# Altium PCB PCB1.PcbDoc
Units mm, origin at the board's own origin, x right, y up, seen from the top; angles counter-clockwise.
Board outline 80 x 80 mm, 2 copper layers (Top Layer, Bottom Layer); 77 components, 43 nets, 255 pads, 39 vias.
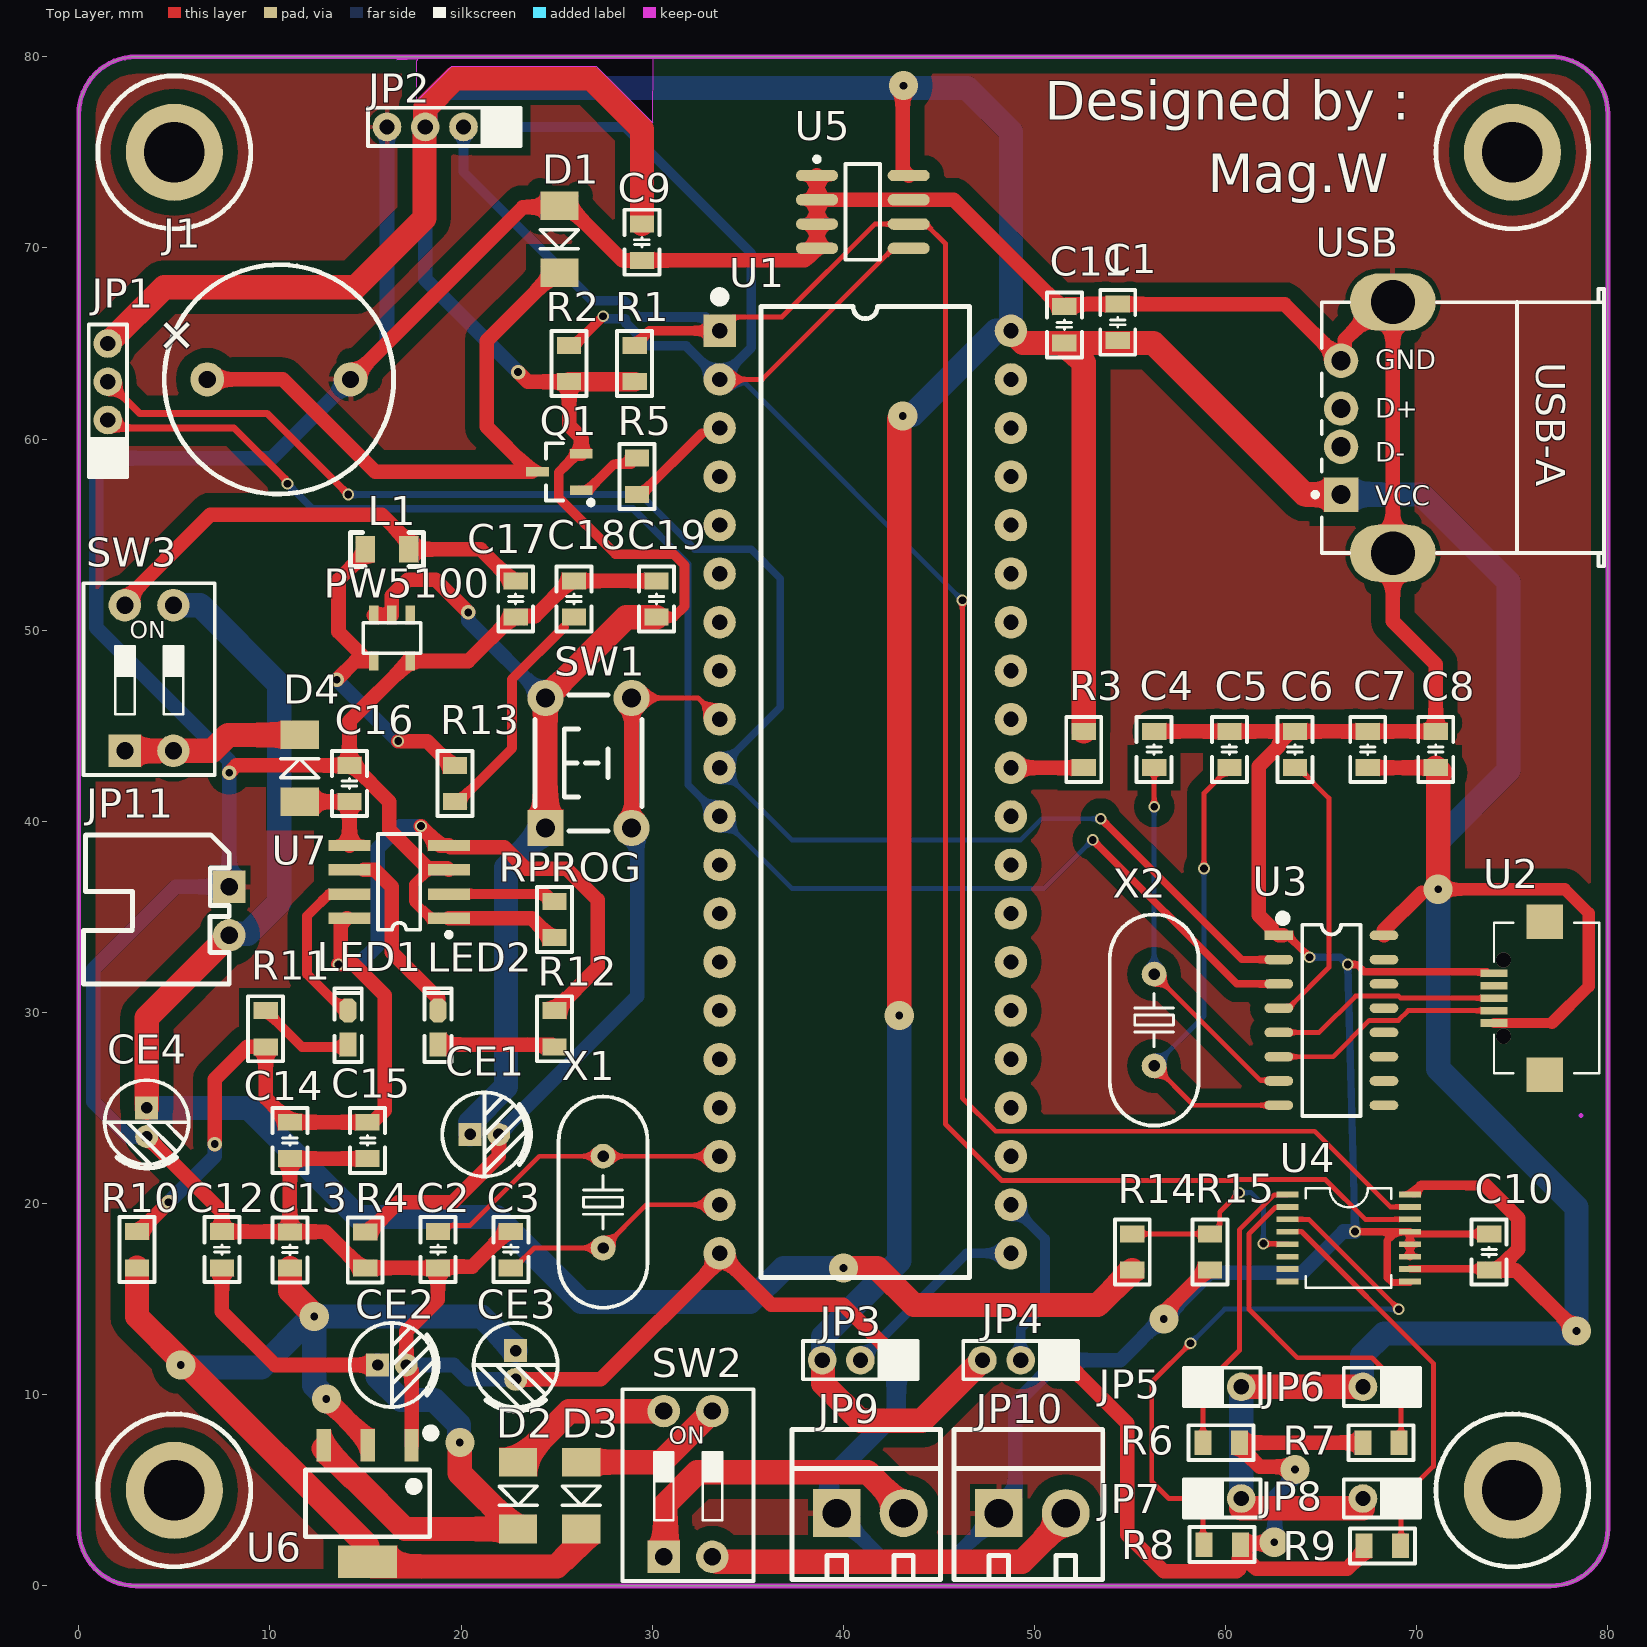
[diagram p0: Top Layer view]
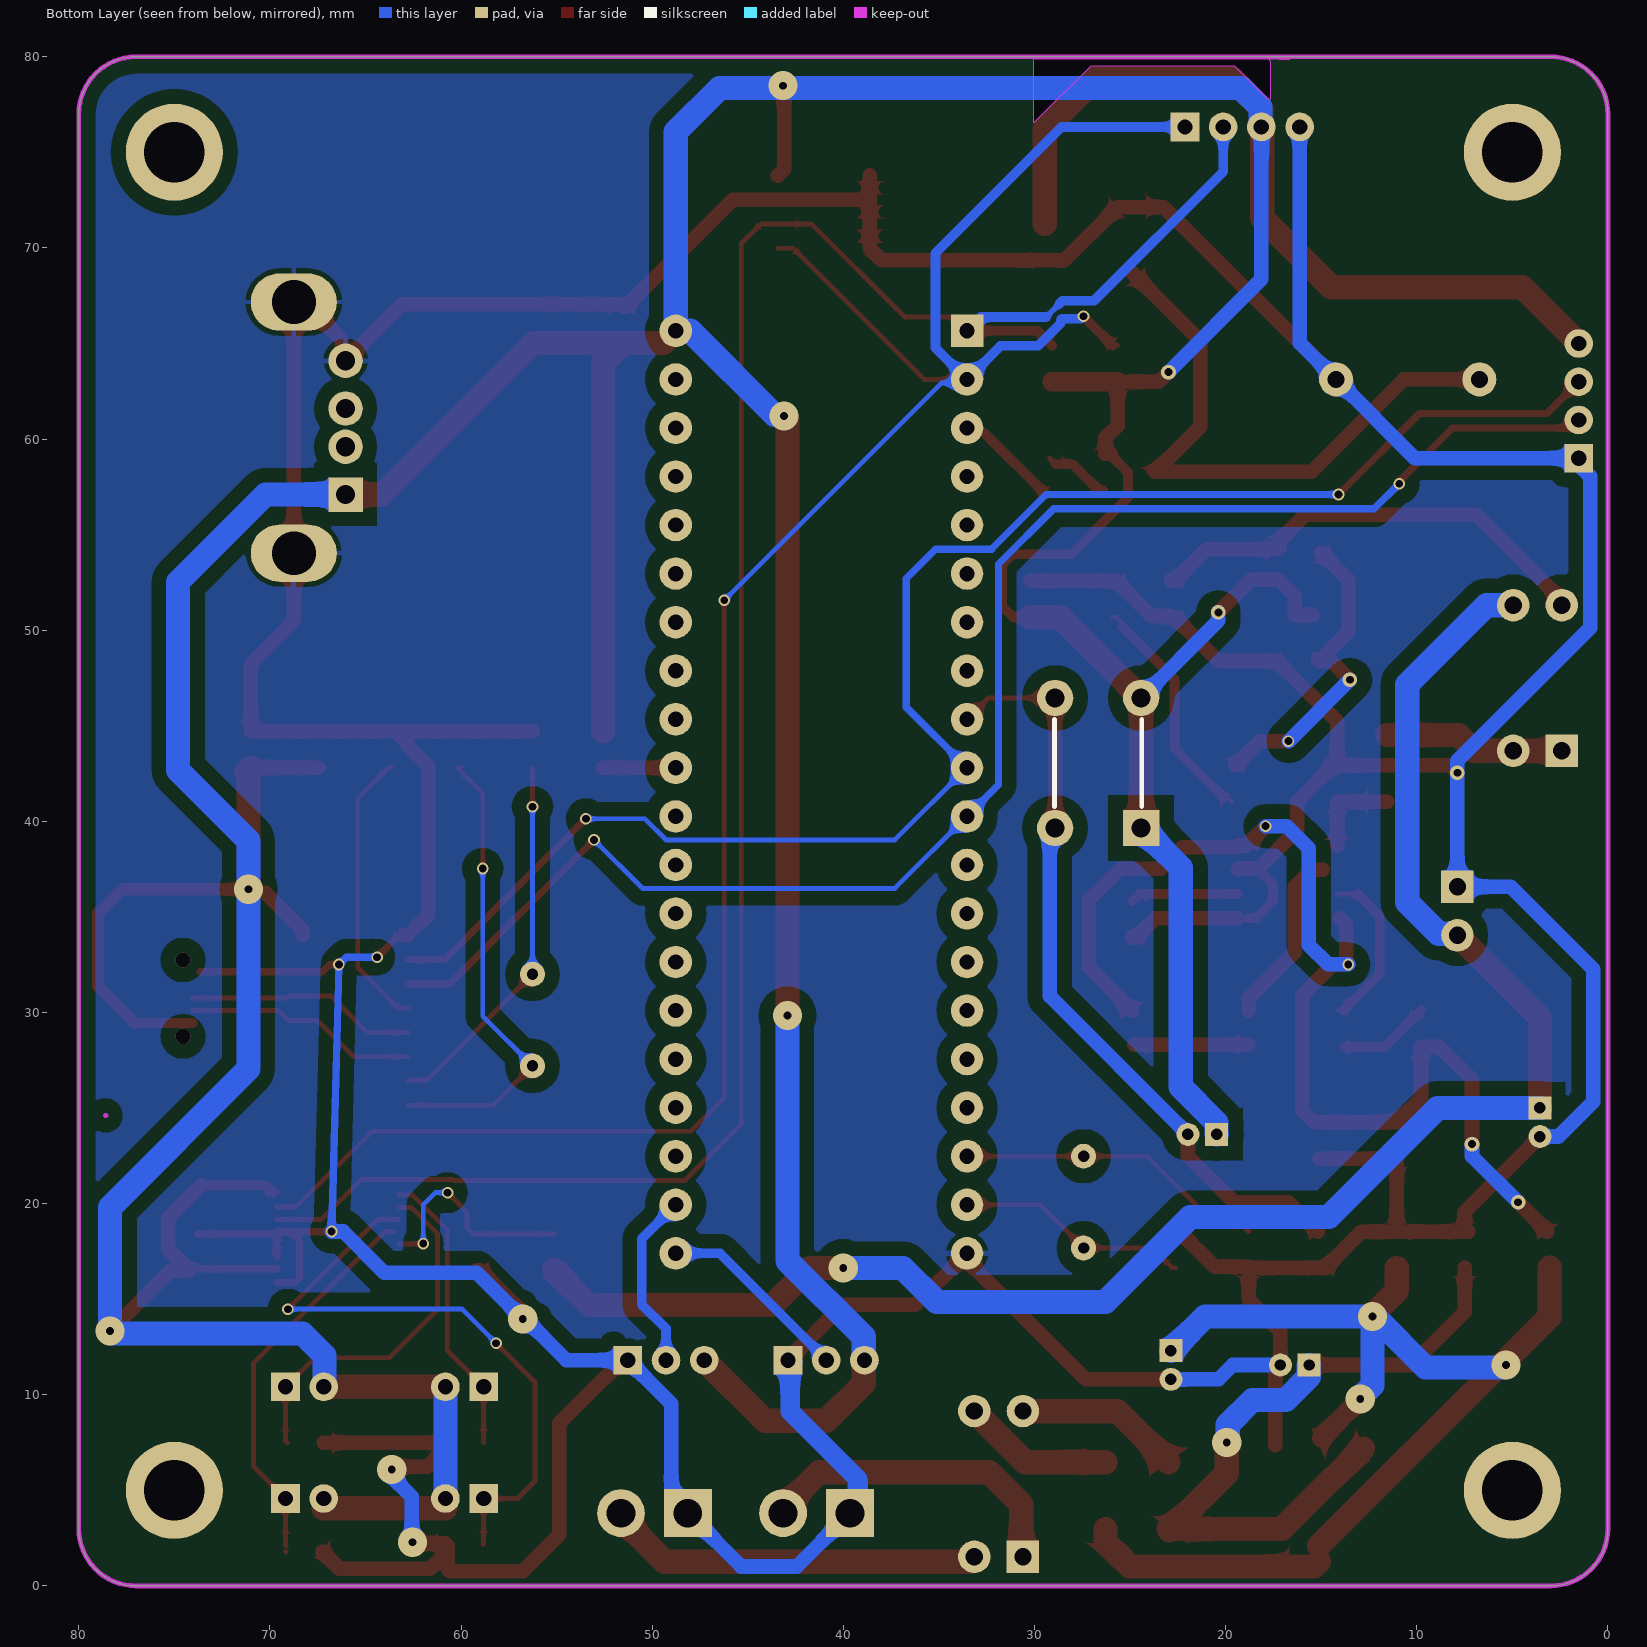
[diagram p1: Bottom Layer view, seen from below]

## Layer stack, top to bottom
Top Solder: solder mask 0.0102, Solder Resist, Dk 3.5
Top Layer: signal copper 0.0356
Dielectric 1: dielectric 0.32, FR-4, Dk 4.8
Bottom Layer: signal copper 0.0356
Bottom Solder: solder mask 0.0102, Solder Resist, Dk 3.5

## Board outline
0,3 0,77 cw(c3,77) 3,80 77,80 cw(c77,77) 80,77 80,3 cw(c77,3) 77,0 3,0 cw(c3,3)
cut-out: 17.768,79.883 17.658,79.773 17.658,77.782 17.784,77.782 19.513,79.51 27.064,79.51 30.041,76.533 30.048,79.883 17.768,79.883 16.637,79.835

## Design rules (kind name [scope] priority, off if disabled: settings)
Clearance Clearance_3 [InNamedPolygon('Top Layer-GND')] p1: gap=0.762 ignorepadtopadclearanceinfootprint=FALSE
Clearance Clearance_2 [InNamedPolygon('Top Layer-No Net')] p2: gap=0.762 ignorepadtopadclearanceinfootprint=FALSE
Clearance Clearance_1 [InNamedPolygon('Bottom Layer-GND')] p3: gap=0.762 ignorepadtopadclearanceinfootprint=FALSE
Clearance [All] p4: gap=0.051 ignorepadtopadclearanceinfootprint=FALSE
HoleSize [All] p1: absolutevalues=TRUE maxlimit=3.302 minlimit=0.025 maxpercent=80.000 minpercent=20.000
MinimumSolderMaskSliver [All] p1: minsoldermaskwidth=0.025
PolygonConnect isvia [IsVia] p1: connectstyle=Direct reliefconductorwidth=0.254 reliefentries=4 polygonreliefangle="90 Angle" airgapwidth=0.254
PolygonConnect "all to all" [All] p2: connectstyle=Relief reliefconductorwidth=0.254 reliefentries=4 polygonreliefangle="90 Angle" airgapwidth=0.254
RoutingVias [All] p1: holewidth=0.711 width=1.27 viastyle="Through Hole" minholewidth=0.711 minwidth=1.27 maxholewidth=0.711 maxwidth=1.27
SilkToSilkClearance [All] p1: silktosilkclearance=0
SilkToSolderMaskClearance [IsPad] p1: minsilkscreentomaskgap=0 clearancetoexposedcopper=TRUE
SolderMaskExpansion [All] p1: expansion=0.102
Width 50mil [InNetClass('50mil')] p1: maxlimit=1.524 minlimit=0.254 preferedwidth=1.27
Width 30mil [InNetClass('30mil')] p2: maxlimit=1.27 minlimit=0.254 preferedwidth=0.762
Width all [All] p3: maxlimit=1.27 minlimit=0.254 preferedwidth=0.254
26 further rules are at their usual default settings.

## Classes and differential pairs
net class 30mil: 3.7V GND
net class 50mil: 5V NetC2_1 NetC12_1 NetC14_2 NetD2_1 NetD3_1 NetJP9_2 NetJP10_2 VBAT VCC
component class Sheet2: C12 C13 C14 C15 C16 C17 C18 C19 CE2 CE3 CE4 D2 D3 D4 JP9 JP10 JP11 L1 LED1 LED2 PW5100 R10 R11 R12 R13 R14 R15 RPROG SW2 SW3 U6 U7 USB
component class Sheet1: C1 C2 C3 C4 C5 C6 C7 C8 C9 C10 C11 CE1 D1 J1 JP1 JP2 JP3 JP4 JP5 JP6 JP7 JP8 Q1 R1 R2 R3 R4 R5 R6 R7 R8 R9 SW1 U1 U2 U3 U4 U5 X1 X2

## Components (designator, comment, footprint, x,y, rotation, side; value= is the part's Value field where it differs from the comment)
C1 "0.1UF" "C 0805_L" 54.356,66.106 r90 top
C2 "22PF" "C 0805_L" 18.796,17.592 r270 top
C3 "22PF" "C 0805_L" 22.606,17.592 r270 top
C4 "0.1UF" "C 0805_L" 56.261,43.754 r90 top
C5 "0.1UF" "C 0805_L" 60.198,43.754 r270 top
C6 "0.1UF" "C 0805_L" 63.627,43.754 r90 top
C7 "0.1UF" "C 0805_L" 67.437,43.754 r90 top
C8 "0.1UF" "C 0805_L" 70.993,43.754 r90 top
C9 "220UF" "C 0805_L" 29.464,70.297 r90 top
C10 "0.1UF" "C 0805_L" 73.787,17.465 r90 top
C11 "0.1UF" "C 0805_L" 51.562,65.974 r270 top
C12 "0.1UF" "C 0805_L" 7.493,17.592 r90 top
C13 "0.1UF" "C 0805_L" 11.049,17.577 r90 top
C14 "0.1UF" "C 0805_L" 11.049,23.307 r90 top
C15 "0.1UF" "C 0805_L" 15.113,23.307 r90 top
C16 "10UF" "C 0805_L" 14.164,41.976 r270 top
C17 "4.7UF" "C 0805_L" 22.86,51.628 r90 top
C18 "4.7NF" "C 0805_L" 25.908,51.628 r270 top
C19 "22UF" "C 0805_L" 30.226,51.628 r270 top
CE1 "10uF/16V" "CAP 1.5*4*8 - BK" 21.221,23.622 r0 top
CE2 "10uF/16V" "CAP 1.5*4*8 - BK" 16.383,11.557 r0 top
CE3 "10uF/16V" "CAP 1.5*4*8 - BK" 22.86,11.557 r270 top
CE4 "10uF/16V" "CAP 1.5*4*8 - BK" 3.556,24.257 r270 top
D1 "Diode" DIODE-1206 25.146,72.207 r270 top
D2 "Diode" DIODE-1206 22.987,6.477 r270 top
D3 "Diode" DIODE-1206 26.289,6.477 r270 top
D4 "Diode" DIODE-1206 11.557,41.021 r90 top
J1 "BEEP" BUZ-7.5 16.502,63.469 r0 top
JP1 "HDR-1X4" HDR2.0-LI-4P 1.524,61.997 r90 top
JP2 "HDR-1X4" HDR2.0-M-LI-4P 19.129,76.327 r180 top
JP3 "HDR-1X3" HDR2.0-LI-3P 40.894,11.811 r180 top
JP4 "HDR-1X3" HDR2.0-LI-3P 49.276,11.811 r180 top
JP5 "HDR-1X2" HDR2.0-LI-2P 59.817,10.414 r0 top
JP6 "HDR-1X2" HDR2.0-LI-2P 68.183,10.414 r180 top
JP7 "HDR-1X2" HDR2.0-LI-2P 59.817,4.572 r0 top
JP8 "HDR-1X2" HDR2.0-LI-2P 68.183,4.572 r180 top
JP9 "HDR-1X2" KF350-2P 41.402,3.81 r0 top
JP10 "HDR-1X2" KF350-2P 49.883,3.81 r0 top
JP11 "HDR-1X2" XH2.54-WI-2P 7.874,35.306 r270 top
L1 "3.3UH" "L 0805" 16.129,54.229 r180 top
LED1 "红色" "LED 0603R" 14.104,29.21 r90 top
LED2 "绿色" "LED 0603G" 18.803,29.21 r90 top
PW5100 "PW5100" PCBComponent_1 15.809,51.69 r90 top
Q1 "SS8550" SOT23-3N 25.146,58.28 r90 top
R1 "4.7K" "R 0805_L" 29.083,63.947 r270 top
R2 "4.7K" "R 0805_L" 25.654,63.947 r90 top
R3 "4.7K" "R 0805_L" 52.578,43.754 r90 top
R4 "10K" "R 0805_L" 14.986,17.577 r270 top
R5 "1K" "R 0805_L" 29.21,58.047 r270 top
R6 "10K" "R 0805_L" 59.767,7.493 r180 top
R7 "10K" "R 0805_L" 68.133,7.493 r0 top
R8 "10K" "R 0805_L" 59.817,2.159 r180 top
R9 "10K" "R 0805_L" 68.199,2.096 r0 top
R10 "0.25R" "R 0805_L" 3.048,17.592 r90 top
R11 "1K" "R 0805_L" 9.779,29.149 r90 top
R12 "1K" "R 0805_L" 24.892,29.149 r270 top
R13 "0.5" "R 0805_L" 19.685,41.976 r270 top
R14 "10K" "R 0805_L" 55.118,17.465 r270 top
R15 "10K" "R 0805_L" 59.182,17.465 r90 top
RPROG "1.2K" "R 0805_L" 24.892,34.864 r90 top
SW1 "6x6x5" "TSW DIP-6*6*6" 26.67,43.053 r90 top
SW2 "SW-2P" "CSW DIP-2P" 31.877,5.334 r0 top
SW3 "SW-2P" "CSW DIP-2P" 3.683,47.498 r0 top
U1 "STC89C5xx" DIP40-600 41.148,41.529 r0 top
U2 "USB-MICRO-duplicate" "USB-MICRO - duplicate" 77.585,43.252 r180 top
U3 "CH340G" sop16_L 65.532,29.591 r0 top
U4 "ADS7830" TSSOP16 63.246,20.477 r0 top
U5 "AT24C02" SOIC8_N 41.021,71.882 r0 top
U6 "AMS1117-5V" SOT223_L 15.113,4.318 r180 top
U7 "TP4056" SO8 16.764,36.83 r90 top
USB "USB" USB-A/S_A 66.04,60.595 r0 top
X1 "12MHz" "OSC HC-49S" 27.432,20.079 r90 top
X2 "12MHz" "OSC HC-49S" 56.261,29.604 r90 top
? "Comment" M3x10_L 75,5 r270 top
? "Comment" M3x10_L 5,5 r270 top
? "Comment" M3x10_L 5,75 r270 top
? "Comment" M3x10_L 75,75 r270 top

## Footprints (in the part's own frame and the unit in brackets; to place one, negate y for a bottom-side part, rotate by r counter-clockwise, add the part's x,y. Pads: shape width x height; smd on the part's side, far side on the other; paste and mask are expansions set on the pad)
BUZ-7.5 [mil]
  round 70 hole 35.43: 1(-384.96,-13.78) 2(-89.68,-13.78)
  silkscreen extent -473,-250 -1,222
"C 0805_L" [mil] "无极性贴片电容                                        淘宝ID:黄晶宝石"
  rect 35x50 smd: 1(-37.4,0) 2(37.4,0)
  silkscreen extent -67,-36 67,36, body extent -39,-24 39,24, height 20
"CAP 1.5*4*8 - BK" [mm] "脚距1.5mm直径4mm高度8mm                       淘宝ID:黄晶宝石"
  rect 1.2x1.2 hole 0.6: 1(-0.75,0)
  round 1.2 hole 0.6: 2(0.75,0)
  silkscreen extent -2.2,-2.2 2.41,2.2, body extent -2,-2 2.02,2, height 8.05
"CSW DIP-2P" [mm] "6.6*9.9*7mm"
  rect 1.7x1.7 hole 0.9: 1(-1.27,-3.81)
  round 1.7 hole 0.9: 2(1.27,-3.81) 3(1.27,3.81) 4(-1.27,3.81)
  silkscreen extent -3.43,-5.08 3.43,4.95, body extent -3.32,-4.95 3.32,4.95, height 6.65
DIODE-1206 [mm] "玻璃封装二极管"
  rect 1.5x2 smd: 1(0,0) 2(3.5,0)
  silkscreen extent 1.25,-1 2.25,1
DIP40-600 [mm] "52*15.2*4mm(长宽高)"
  rect 1.7x1.7 hole 0.8: 1(-7.62,24.13)
  round 1.7 hole 0.8: 2(-7.62,21.59) 3(-7.62,19.05) 4(-7.62,16.51) 5(-7.62,13.97) 6(-7.62,11.43) 7(-7.62,8.89) 8(-7.62,6.35) 9(-7.62,3.81) 10(-7.62,1.27) 11(-7.62,-1.27) 12(-7.62,-3.81) 13(-7.62,-6.35) 14(-7.62,-8.89) 15(-7.62,-11.43) 16(-7.62,-13.97) 17(-7.62,-16.51) 18(-7.62,-19.05) 19(-7.62,-21.59) 20(-7.62,-24.13) 21(7.62,-24.13) 22(7.62,-21.59) 23(7.62,-19.05) 24(7.62,-16.51) 25(7.62,-13.97) 26(7.62,-11.43) 27(7.62,-8.89) 28(7.62,-6.35) 29(7.62,-3.81) 30(7.62,-1.27) 31(7.62,1.27) 32(7.62,3.81) 33(7.62,6.35) 34(7.62,8.89) 35(7.62,11.43) 36(7.62,13.97) 37(7.62,16.51) 38(7.62,19.05) 39(7.62,21.59) 40(7.62,24.13)
  silkscreen extent -7.87,-25.4 5.46,26.16, body extent -7.78,-26.18 7.78,26.18, height 4.7
HDR2.0-LI-2P [mm] "直插，脚距：2.0mm  封装库来自淘宝卖家 ID：黄晶宝石"
  rect 1.5x1.5 hole 0.8: 1(-1,0)
  round 1.5 hole 0.8: 2(1,0)
  silkscreen extent -2,-1 2,1, body extent -2,-1 2,1, height 6.5
HDR2.0-LI-3P [mm] "直插，脚距：2.0mm 封装库来自淘宝卖家 ID：黄晶宝石"
  rect 1.5x1.5 hole 0.8: 1(-2,0)
  round 1.5 hole 0.8: 2(0,0) 3(2,0)
  silkscreen extent -3,-1 3,1, body extent -3,-1 3,1, height 6.5
HDR2.0-LI-4P [mm] "直插，脚距：2.0mm 封装库来自淘宝卖家 ID：黄晶宝石"
  rect 1.5x1.5 hole 0.8: 1(-3,0)
  round 1.5 hole 0.8: 2(-1,0) 3(1,0) 4(3,0)
  silkscreen extent -4,-1 4,1, body extent -4,-1 4,1, height 6.5
HDR2.0-M-LI-4P [mm] "直插排母，脚距：2.0mm  封装库来自淘宝卖家 ID：黄晶宝石"
  rect 1.5x1.5 hole 0.8: 1(-3,0)
  round 1.5 hole 0.8: 2(-1,0) 3(1,0) 4(3,0)
  silkscreen extent -4,-1 4,1, body extent -4,-1 4,1, height 5.5
KF350-2P [mm] "可拼接端子/10A"
  rect 2.5x2.5 hole 1.5: 1(-1.75,0)
  round 2.5 hole 1.5: 2(1.75,0)
  silkscreen extent -4.09,-3.48 3.69,4.37, body extent -3.9,-3.3 3.5,4.2, height 10
"L 0805" [mil] "小功率贴片电感        淘宝ID:黄晶宝石"
  rect 40x55 smd: 1(-45,0) 2(45,0)
  silkscreen extent -75,-35 75,35, body extent -39,-24 39,24, height 35
"LED 0603G" [mil] "绿色0603LED                                   淘宝ID:黄晶宝石"
  rect 50x35 smd: 1(-35,0.26)
  oct 50x35 smd: 2(35,0.26)
  silkscreen extent -71,-28 81,28, body extent -31,-16 32,16, height 18
"LED 0603R" [mil] "红色0603LED                                           淘宝ID:黄晶宝石"
  rect 50x35 smd: 1(-35,0.26)
  oct 50x35 smd: 2(35,0.26)
  silkscreen extent -71,-28 81,28, body extent -31,-16 31,16, height 18
M3x10_L [mm] "M3铜柱，长：10mm"
  round 5.08 hole 3.175: 1(0,0)
  silkscreen extent -4,-4 4,4, body extent -2.7,-2.35 2.7,2.35, height 10.05
"OSC HC-49S" [mm] "封装库来自淘宝卖家 ID：黄晶宝石"
  round 1.3 hole 0.6: 1(-2.4,0) 2(2.4,0)
  silkscreen extent -5.52,-2.32 5.52,2.33, body extent -5.52,-2.32 5.53,2.33, height 4.13
PCBComponent_1 [mm]
  rect 1x0.5 smd: 1(-0.902,0.376) 2(-0.902,-0.574) 3(-0.902,-1.524) 4(-3.302,-1.524) 5(-3.302,0.376)
  silkscreen extent -2.9,-2.07 -1.3,0.93, body extent -3.5,-2.02 -0.7,0.88, height 1.09
"R 0805_L" [mil] "1/8W贴片电阻"
  rect 35x50 smd: 1(-37.4,0) 2(37.4,0)
  silkscreen extent -67,-36 67,36, body extent -39,-25 39,25, height 20
SO8 [mm] "Small Outline; 8 Leads; Body Width 3.9 mm; Pitch 1.27 mm"
  rect 0.6x2.2 smd: 1(-1.905,-2.6) 2(-0.635,-2.6) 3(0.635,-2.6) 4(1.905,-2.6) 5(1.905,2.6) 6(0.635,2.6) 7(-0.635,2.6) 8(-1.905,2.6)
  silkscreen extent -2.88,-2.72 2.5,1.1
SOIC8_N [mm] "8-Pin Small Outline Integrated Circuit Package (SOIC8), IPC Medium Density"
  oval 2.2x0.6 smd: 1(-2.4,1.905) 2(-2.4,0.635) 3(-2.4,-0.635) 4(-2.4,-1.905) 5(2.4,-1.905) 6(2.4,-0.635) 7(2.4,0.635) 8(2.4,1.905)
  silkscreen extent -2.52,-2.5 0.9,2.88, body extent -1.95,-2.45 1.95,2.45, height 1.75
sop16_L [mm] "10.3*6.2*1.8mm（长宽高）封装库来自淘宝卖家 ID：黄晶宝石"
  rect 1.5x0.5 smd: 1(-2.752,4.445)
  oval 1.5x0.5 smd: 2(-2.752,3.175) 3(-2.752,1.905) 4(-2.752,0.635) 5(-2.752,-0.635) 6(-2.752,-1.905) 7(-2.752,-3.175) 8(-2.752,-4.445) 9(2.752,-4.445) 10(2.752,-3.175) 11(2.752,-1.905) 12(2.752,-0.635) 13(2.752,0.635) 14(2.752,1.905) 15(2.752,3.175) 16(2.752,4.445)
  silkscreen extent -2.69,-5 1.52,5.49, body extent -3,-5 3,5, height 1.9
SOT23-3N [mm] "3x1.3x1mm(长宽高)    封装库来自淘宝卖家 ID：黄晶宝石"
  rect 0.5x1.2 smd: 1(-0.95,-1.143) 2(0.95,-1.143) 3(0,1.143)
  silkscreen extent -1.72,-1.78 1.5,0.7, body extent -1.5,-1.2 1.5,1.2, height 1.05
SOT223_L [mm] "6.4x7x1.6mm(长宽高)"
  rect 0.75x1.7 smd: 1(-2.3,-3.048) 2(0,-3.048) 3(2.3,-3.048)
  rect 3.1x1.7 smd: 2(0,3.048)
  silkscreen extent -3.5,-3.88 3.25,1.75, body extent -3.25,-3.51 3.25,3.51, height 1.65
TSSOP16 [mm] "淘宝ID:黄晶宝石"
  rect 1.15x0.3 smd: 1(0,0) 2(0,-0.65) 3(0,-1.3) 4(0,-1.95) 5(0,-2.6) 6(0,-3.25) 7(0,-3.9) 8(0,-4.55) 9(6.4,-4.55) 10(6.4,-3.9) 11(6.4,-3.25) 12(6.4,-2.6) 13(6.4,-1.95) 14(6.4,-1.3) 15(6.4,-0.65) 16(6.4,0)
  silkscreen extent 0.94,-4.88 5.42,0.33
"TSW DIP-6*6*6" [mm] "6*6*6mm"
  rect 1.9x1.9 hole 1: 1(-3.4,2.25)
  round 1.9 hole 1: 2(-3.4,-2.25) 3(3.4,-2.25) 4(3.4,2.25)
  silkscreen extent -3.56,-2.79 3.56,2.79, body extent -4.11,-3 4.11,3, height 5.95
USB-A/S_A [mm] "A型直插母头， 淘宝ID:黄晶宝石   店铺网址:https://shop463601444.taobao.com"
  rect 1.8x1.8 hole 1: 1(0,-3.5)
  round 1.8 hole 1: 2(0,-1) 3(0,1) 4(0,3.5)
  oval 4.5x3 hole 2.3: 4(2.71,-6.57) 4(2.71,6.57)
  silkscreen extent -1.47,-7.25 13.75,7.25, body extent -0.6,-7.34 13.7,7.34, height 6.8
"USB-MICRO - duplicate" [mm]
  rect 1.4x0.4 smd: 1(3.544,13.803) 2(3.544,13.153) 3(3.544,12.503) 4(3.544,11.853) 5(3.544,11.203)
  rect 1.9x1.8 smd: 6(0.894,16.503) 6(0.894,8.503)
  Keep-Out Layer lines w0.254: -0.991,18.644 -1.016,18.633
  silkscreen extent -1.96,8.57 3.54,16.44, body extent -1.86,8.51 3.57,16.49, height 2.72
XH2.54-WI-2P [mm] "接插件，2P"
  rect 1.7x1.7 hole 0.9: 1(-1.27,0)
  round 1.7 hole 0.9: 2(1.27,0)
  silkscreen extent -3.99,-7.62 3.81,0, body extent -3.77,-7.35 3.77,0.35, height 5.73

## Part data
C1 C2 C3 C4 C5 C6 C7 C8 C9 C10 C11 C12 C13 C14 C15 C16 C17 C18 C19: library part C, "贴片电容"
CE1 CE2 CE3 CE4: library part CE, "直插电解电容"
D1 D2 D3 D4: "二极管"
J1: "蜂鸣器"
JP1 JP2: library part "Header 4", "4P接插件"
JP3 JP4: library part "Header 3", "3P接插件"
JP5 JP6 JP7 JP8 JP9 JP10 JP11: library part "Header 2", "2P接插件"
L1: library part L, "小功率贴片电感"
LED1 LED2: library part LED-SMD, "贴片LED"
Q1: library part 8550-SMD, "高频放大-PNP型"
R1 R2 R3 R4 R5 R6 R7 R8 R9 R10 R11 R12 R13 R14 R15 RPROG: library part R, "贴片电阻"
SW1: library part "TSW DIP-6x6", "直插6x6轻触开关"
SW2 SW3: "2路编码开关"
U1: "STC单片机"
U5: "EEROM存储器"
U6: library part AMS1117, "三端稳压芯片"
U7: "锂电池充电管理"
USB: library part USB-A/S, "USB-A型母接口"
X1 X2: library part XTAL-2P, "2脚无源脚晶振"

## Via types
v1: diameter 0.61, hole 0.406, Top Layer to Bottom Layer, 18 vias
v2: diameter 1.524, hole 0.406, Top Layer to Bottom Layer, 13 vias
v3: diameter 0.762, hole 0.406, Top Layer to Bottom Layer, 6 vias
v4: diameter 0.8, hole 0.8, Top Layer to Bottom Layer, tented both sides, 2 vias

## Nets (pads, with @x,y where several pads share a name; then routed paths per layer and width w, separated by ;. In a path a pad name is that pad's centre, name@x,y a point inside that pad or via, vN(x,y) a via of type N, cw(c..) or ccw(c..) an arc to the next point about the centre after c; other vN are vias at no path point)
3.7V: C17.2 L1.1 SW3.4 | length 24.3
  Top Layer w0.762: SW3.4@2.159,51.308 6.892,56.041 15.841,56.041 17.272,54.61 L1.1 21.018,54.229 22.669,52.578 C17.2
5V: C13.1 CE3.1 D3.2 R10.1 U6.2 | length 62.1
  Top Layer w1.016: v2@12.954,9.525 v2(12.954,9.779) U6.2@14.986,7.747
  Top Layer w1.27: R10.1 3.048,14.097 5.334,11.811 v2(5.334,11.557) 5.65,11.557 U6.2@15.113,2.094 ; C13.1 11.049,15.436 12.319,14.166 v2(12.319,14.097) ; U6.2@15.113,1.27 15.367,1.016 25.019,1.016 26.289,2.286 D3.2
  Bottom Layer w1.27: v2(5.334,11.557) 5.461,11.43 9.543,11.43 v2@12.083,13.97 ; v2(12.954,9.779) 12.954,9.848 12.319,10.483 v2(12.319,14.097) 21.07,14.097 CE3.1
ADC0: R14.1 R15.2 U4.5 | length 11.8
  Top Layer w0.254: R14.1 R15.2 59.372,18.415 59.69,18.732 59.69,19.56 v1(60.704,20.574) ; v1(61.976,17.907) 61.991,17.892 63.231,17.892 U4.5
  Bottom Layer w0.254: v1(60.704,20.574) 61.341,20.574 61.976,19.939 v1(61.976,17.907)
BEEF: R5.2 U1.3 | length 5.8
  Top Layer w0.254: R5.2 R5.2@29.4,57.097 ; 32.606,60.302 33.251,60.302 U1.3
  Top Layer w0.508: R5.2@29.4,57.097 32.606,60.302
D+: U2.3 U3.5 | length 12.1
  Top Layer w0.254: U3.5 64.897,28.956 66.798,30.857 69.045,30.857 69.153,30.749 U2.3
D-: U2.2 U3.6 | length 12.3
  Top Layer w0.254: U3.6 65.622,27.686 67.523,29.587 69.037,29.587 69.549,30.099 U2.2
GND: C1.2 C2.2 C3.1 C4.2 C5.1 C6.2 C7.2 C8.2 C9.1 C10.2 C11.1 C12.2 C13.2 C14.1 C15.1 C16.1 C17.1 C18.1 C19.1 CE2.2 CE3.2 CE4.2 D1.1 J1.2 JP1.1 JP2.4 JP3.1 JP4.1 JP9.1 JP10.1 JP11.1 PW5100.4 R4.2 R6.1 R7.1 R8.1 R9.1 R15.1 RPROG.1 U1.20 U2.5 U3.1 U4.9 U4.11 U4.12 U4.13 U5.1 U5.2 U5.3 U5.4 U5.7 U6.1 U7.1 U7.3 USB.4 | length 443.1
  Top Layer w0.254: U4.13 U4.13@69.758,18.415
  Top Layer w0.381: U3.1@63.018,34.036 63.246,34.036 v1(64.389,32.893) ; v1(66.389,32.512) 66.868,32.512 67.249,32.131 U2.5@73.66,32.131 ; v1(66.77,18.542) 66.74,18.669 66.882,18.527 68.904,18.527 ; U4.9@69.646,15.875 68.707,15.875 68.453,16.129 68.453,18.076 68.904,18.527 ; U4.11 U4.12 U4.13 68.904,18.527 ; U4.13@69.758,18.415 C10.2
  Top Layer w0.508: U7.1@18.855,34.925 18.415,34.925 17.526,35.814 17.526,36.703 18.288,37.465 U7.3
  Top Layer w0.762: CE4.2 7.493,19.57 C12.2 7.302,18.542 7.31,18.534 11.041,18.534 C13.2 ; v3(7.874,42.545) 8.255,42.926 C16.1 ; J1.2 23.241,72.136 25.654,72.136 28.443,69.347 C9.1 37.991,69.347 U5.4 U5.3 U5.2 ; C15.1 C14.1 C13.2 ; U6.1 17.413,11.277 CE2.2 17.133,13.309 18.793,14.969 18.793,16.63 C2.2@18.788,16.634 ; U7.1 23.69,34.925 24.701,33.914 RPROG.1 ; U7.3 19.283,37.546 18.255,37.546 16.246,39.554 16.246,41.034 14.355,42.926 C16.1 ; C3.1 22.415,18.542 20.574,16.7 18.855,16.7 C2.2 C2.2@18.788,16.634 ; CE3.2 27.317,10.807 U1.20@33.528,17.018 ; C19.1 C18.1 25.717,52.578 23.881,50.741 22.924,50.741 C17.1 22.669,50.678 20.38,48.388 PW5100.4 17.321,48.388 14.164,45.231 C16.1 ; U1.20 36.227,14.7 40.005,14.7 JP3.1 ; U5.1 U5.2 ; JP4.1 51.562,11.811 54.864,8.509 54.864,2.667 56.769,0.762 60.579,0.762 60.704,0.887 60.704,2.096 R8.1 60.831,2.223 62.477,2.223 v2(62.541,2.286) ; C4.2 C5.1 C6.2@63.436,44.704 ; v2(56.769,13.97) 56.915,14.116 56.915,14.438 58.991,16.515 R15.1 ; R8.1@60.717,1.778 61.606,0.889 66.36,0.889 R9.1@67.249,1.778 ; 62.411,34.405 61.722,35.094 61.722,42.877 62.779,43.934 62.779,44.047 C6.2@63.436,44.704 ; U3.1 U3.1@63.018,34.036 ; v2(63.627,6.096) 63.481,6.242 61.778,6.242 60.717,7.302 R6.1 R7.1 ; C13.2 12.895,18.527 14.795,16.627 R4.2 14.994,16.634 C2.2@18.788,16.634 ; U5.2 U5.7 45.779,72.517 51.371,66.924 C11.1 51.694,67.056 C1.2 63.079,67.056 66.04,64.095 66.239,64.294 66.239,65.189 68.215,67.165 68.75,67.165 68.75,54.025 68.75,50.463 70.993,48.22 C8.2 C7.2 C6.2 C6.2@63.436,44.704
  Bottom Layer w0.381: v1(64.389,32.893) 66.008,32.893 v1(66.389,32.512) v1(66.77,18.542)
  Bottom Layer w0.762: CE4.2 2.593,23.507 0.762,25.338 0.762,32.258 5.08,36.576 JP11.1 v3(7.874,42.545) 7.874,43.18 0.928,50.126 0.928,58.039 1.524,58.635 JP1.1 10.102,58.997 J1.2 16.129,65.024 JP2.4 ; CE2.2 19.622,11.557 20.372,10.807 CE3.2 ; JP9.1 42.446,1.016 45.339,1.016 JP10.1 49.002,4.679 49.002,9.537 JP4.1 54.483,11.811 56.769,14.097 56.896,14.097 59.182,16.383 64.008,16.383 66.167,18.542 v1(66.77,18.542) ; v2(62.541,2.286) 62.576,2.321 62.576,4.664 63.445,5.533 63.445,5.914 v2(63.627,6.096)
  Bottom Layer w1.016: JP9.1@39.243,4.219 39.243,5.588 42.779,9.124 JP3.1@42.779,11.696
  Bottom Layer w1.27: JP9.1@39.243,4.219 JP9.1 ; JP3.1@42.779,11.696 JP3.1
NetC2_1: C2.1 U1.18 X1.2 | length 16.4
  Top Layer w0.254: C2.1 19.113,18.86 20.479,18.86 24.098,22.479 X1.2 U1.18
NetC3_2: C3.2 U1.19 X1.1 | length 12.3
  Top Layer w0.254: C3.2 22.796,16.642 23.834,17.679 X1.1 29.692,19.939 U1.19
NetC4_1: C4.1 U3.7 X2.2 | length 19.6
  Top Layer w0.254: X2.2 61.802,26.463 62.733,26.463 U3.7 ; v1(56.261,40.767) C4.1
  Bottom Layer w0.254: X2.2 v1(56.261,40.767)
NetC5_2: C5.2 U3.8 X2.1 | length 24.8
  Top Layer w0.254: X2.1 58.319,25.146 U3.8 ; v1(58.867,37.531) 58.867,41.473 C5.2 C5.2@60.008,42.804
  Bottom Layer w0.254: X2.1 58.867,29.81 v1(58.867,37.531)
NetC6_1: C6.1 U3.4 | length 14.8
  Top Layer w0.254: U3.4 63.28,30.226 65.405,32.351 65.405,41.216 63.817,42.804 C6.1
NetC12_1: C12.1 CE2.1 D2.2 U6.3 | length 36.2
  Top Layer w0.762: C12.1 7.493,14.351 10.287,11.557 CE2.1
  Top Layer w1.27: U6.3@12.813,7.184 14.37,5.627 14.413,5.627 17.063,2.977 D2.2@22.863,2.977 ; v2(19.939,7.506) 19.939,5.901 D2.2@22.863,2.977 ; D2.2@22.925,2.915 D2.2@22.863,2.977 ; D2.2 D2.2@22.863,2.977
  Bottom Layer w1.27: CE2.1 15.644,11.546 15.644,10.94 16.86,9.725 18.596,9.725 19.89,8.431 19.89,7.555 v2(19.939,7.506)
NetC14_2: C14.2 C15.2 R10.2 R11.1 R12.1 U7.4 U7.8 | length 61.8
  Top Layer w0.762: R10.2@3.175,18.542 v3(4.699,20.066) ; v3(7.112,23.114) 7.112,26.495 8.816,28.199 R11.1 9.779,25.527 C14.2 C15.2 ; v1(13.589,32.512) v1@13.699,32.512 ; U7.8@14.034,34.925 13.699,34.59 v1@13.699,32.512 ; C15.2@15.37,24.257 16.002,24.889 16.002,30.891 14.381,32.512 v1@13.699,32.512 ; v1(17.907,39.751) 18.923,38.735 U7.4 ; U7.4@19.445,38.654 22.262,38.654 23.391,37.525 25.518,37.525 27.16,35.883 27.16,32.367 R12.1
  Bottom Layer w0.762: v3(4.699,20.066) 7.112,22.479 v3(7.112,23.114) ; v1(13.589,32.512) 14.628,32.512 15.644,33.528 15.644,38.601 16.794,39.751 v1(17.907,39.751)
NetC16_2: C16.2 D4.1 U7.5 | length 4.9
  Top Layer w0.254: C16.2@14.159,41.021 C16.2
  Top Layer w0.762: D4.1 C16.2@14.159,41.021 ; U7.5 C16.2
NetC18_2: C18.2 R13.2 | length 12.5
  Top Layer w0.254: R13.2 19.934,41.275 R13.2@20.125,41.275 ; 25.4,50.17 25.4,50.36 25.717,50.678 C18.2
  Top Layer w0.508: R13.2@20.125,41.275 22.669,43.82 22.669,47.439 25.4,50.17
NetCE1_2: CE1.2 R4.1 SW1.2 SW1.3 U1.9 | length 40.8
  Top Layer w0.254: R4.1 R4.1@15.176,18.527 ; SW1.3 32.414,46.453 U1.9
  Top Layer w0.762: R4.1@15.176,18.527 16.716,20.066 19.558,20.066 21.971,22.479 CE1.2 ; SW1.2 SW1.3
  Bottom Layer w0.254: SW1.2 SW1.2@29.21,39.363
  Bottom Layer w0.762: CE1.2 29.21,30.861 SW1.2@29.21,39.363
NetD1_2: D1.2 J1.1 Q1.3 | length 32.4
  Top Layer w0.254: Q1.3@23.582,58.403 23.705,58.28 Q1.3 ; D1.2@24.896,68.707 D1.2
  Top Layer w0.762: J1.1 10.668,63.119 15.507,58.28 Q1.3@23.705,58.28 ; Q1.3@23.582,58.403 21.336,60.649 21.336,65.147 D1.2@24.896,68.707
NetD2_1: D2.1 SW2.4 | length 8.9
  Top Layer w1.27: D2.1 25.654,9.144 SW2.4 SW2.4@30.734,9.144
NetD3_1: D3.1 SW2.3 | length 8
  Top Layer w1.27: D3.1 30.48,6.477 SW2.3
NetD4_2: D4.2 SW3.1 SW3.2 | length 9.5
  Top Layer w1.27: SW3.1 SW3.2 6.985,43.688 7.818,44.521 D4.2
NetJP9_2: JP9.2 SW2.1 | length 17
  Top Layer w1.27: SW2.1 30.695,1.612 30.695,4.279 32.365,5.949 41.27,5.949 43.152,4.067 JP9.2
NetJP10_2: JP10.2 SW2.2 | length 19.8
  Top Layer w1.27: SW2.2 33.401,1.27 49.35,1.27 51.633,3.553 JP10.2
NetL1_2: L1.2 PW5100.5 R13.1 | length 17.5
  Top Layer w0.254: L1.2@14.986,54.038 L1.2 ; PW5100.5@15.31,48.761 15.433,48.638 PW5100.5 ; R13.1@19.494,42.926 R13.1
  Top Layer w0.762: v3(13.495,47.404) 14.479,48.388 15.112,48.388 13.589,49.911 13.589,52.642 L1.2@14.986,54.038 ; v1(16.716,44.196) 18.224,44.196 R13.1@19.494,42.926
  Bottom Layer w0.254: v1@16.703,44.196 v1(16.716,44.196)
  Bottom Layer w0.762: v3(13.495,47.404) v1@16.703,44.196
NetLED1_1: LED1.1 R11.2 | length 4.8
  Top Layer w0.508: R11.2 11.682,28.196 LED1.1@13.782,28.196
NetLED1_2: LED1.2 U7.7 | length 8.7
  Top Layer w0.254: U7.7@13.081,36.195 U7.7 ; LED1.2@13.843,30.099 LED1.2
  Top Layer w0.508: U7.7@13.081,36.195 11.938,35.052 11.938,32.004 LED1.2@13.843,30.099
NetLED2_1: LED2.1 R12.2 | length 6.1
  Top Layer w0.254: R12.2@24.77,28.321 R12.2
  Top Layer w0.762: LED2.1 R12.2@24.77,28.321
NetLED2_2: LED2.2 U7.6 | length 9.3
  Top Layer w0.762: U7.6@14.922,37.465 15.494,37.465 16.383,36.576 16.383,33.147 18.796,30.734 LED2.2
NetQ1_1: Q1.1 R5.1 | length 3.6
  Top Layer w0.254: Q1.1 Q1.1@26.639,57.33 ; R5.1@28.892,58.679 R5.1
  Top Layer w0.508: Q1.1@26.639,57.33 27.989,58.679 R5.1@28.892,58.679
NetR3_1: R3.1 U1.31 | length 3.8
  Top Layer w0.254: R3.1@52.573,42.799 R3.1
  Top Layer w0.762: U1.31 R3.1@52.573,42.799
NetRPROG_2: RPROG.2 U7.2 | length 5.7
  Top Layer w0.508: U7.2 24.511,36.195 RPROG.2
PH1: JP5.1 R6.2 U4.1 | length 15.2
  Top Layer w0.254: R6.2 JP5.1 60.717,12.314 60.717,18.63 62.541,20.454 63.223,20.454 U4.1
PH2: JP6.1 R7.2 U4.2 | length 19.2
  Top Layer w0.254: U4.2 63.223,19.804 62.609,19.804 61.225,18.42 61.225,14.467 63.754,11.938 67.659,11.938 JP6.1 69.183,7.593 R7.2
PH3: JP7.1 R8.2 U4.3 | length 32.9
  Top Layer w0.254: v1(58.166,12.7) 56.134,10.668 56.134,5.461 57.023,4.572 JP7.1 58.817,2.209 R8.2 ; U4.3 64.357,19.177 v1(69.056,14.478)
  Bottom Layer w0.254: v1(58.166,12.7) 59.944,14.478 v1(69.056,14.478)
PH4: JP8.1 R9.2 U4.4 | length 20.5
  Top Layer w0.254: U4.4@63.5,18.542 63.971,18.542 70.866,11.647 70.866,6.255 JP8.1 69.183,2.13 R9.2 ; R9.2@69.149,1.778 R9.2@69.183,1.812
PWM1: JP3.2 U1.21 | length 10.2
  Bottom Layer w0.254: JP3.2 JP3.2@40.894,11.85
  Bottom Layer w0.508: JP3.2@40.894,11.85 46.443,17.399 U1.21
PWM2: JP4.2 U1.22 | length 9.4
  Bottom Layer w0.508: U1.22 50.546,18.161 50.546,14.732 49.276,13.462 JP4.2
RXD: JP1.3 U1.10 U3.2 | length 85
  Top Layer w0.381: JP1.3 3.18,61.341 9.851,61.341 v1(14.097,57.095) ; v1(53.467,40.132) 53.484,40.132 60.85,32.766 U3.2
  Bottom Layer w0.254: U1.10 37.299,39.028 49.278,39.028 50.382,40.132 v1(53.467,40.132)
  Bottom Layer w0.381: v1(14.097,57.095) 29.392,57.095 32.219,54.268 ; 32.219,54.229 35.179,54.229 36.703,52.705 36.703,45.974 U1.10
SCL: JP2.2 R1.1 U1.1 U4.14 U5.6 | length 111
  Top Layer w0.254: U1.1 34.251,66.382 36.789,66.382 41.654,71.247 U5.6 44.323,71.247 45.339,70.231 45.339,68.199 45.339,25.769 45.339,24.167 48.297,21.209 60.369,21.209 60.42,21.26 65.227,21.26 67.31,19.177 U4.14
  Top Layer w0.508: R1.1 29.845,65.659 U1.1
  Bottom Layer w0.254: 28.711,67.056 29.385,66.382 ; U1.1@32.805,66.382 U1.1
  Bottom Layer w0.508: JP2.2 20.129,73.978 26.873,67.234 28.533,67.234 28.711,67.056 ; 29.385,66.382 U1.1@32.805,66.382
SDA: JP2.1 R2.2 U1.2 U4.15 U5.5 | length 115.1
  Top Layer w0.254: R2.2 R2.2@25.908,64.897 ; U1.2 35.763,63.119 42.621,69.977 U5.5 ; v1(46.228,51.562) 46.228,25.527 47.967,23.788 64.655,23.788 68.616,19.827 U4.15
  Top Layer w0.508: R2.2@25.908,64.897 v1(27.432,66.421)
  Bottom Layer w0.254: U1.2 33.712,62.935 34.855,62.935 v1(46.228,51.562)
  Bottom Layer w0.508: JP2.1 28.575,76.327 35.179,69.723 35.179,64.77 U1.2 31.773,64.874 29.815,64.874 28.623,66.066 28.623,66.246 28.575,66.294 27.559,66.294 v1(27.432,66.421)
TXD: JP1.2 U1.11 U3.3 | length 82.4
  Top Layer w0.381: JP1.2 1.653,60.997 2.071,60.579 8.128,60.579 10.922,57.785 v1(10.922,57.658) ; v1(53.047,39.028) 60.579,31.496 U3.3
  Bottom Layer w0.254: U1.11 37.299,36.488 50.507,36.488 v1(53.047,39.028)
  Bottom Layer w0.381: v1(10.922,57.658) 12.234,56.346 28.998,56.346 31.877,53.467 31.877,41.91 U1.11
VBAT: CE4.1 JP11.2 R14.2 SW3.3 | length 90.9
  Top Layer w1.27: CE4.1 3.556,29.718 JP11.2 ; v2(40.005,16.627) 41.769,16.627 43.696,14.7 53.303,14.7 R14.2
  Bottom Layer w1.27: CE4.1 8.902,25.007 14.611,19.298 21.85,19.298 26.289,14.859 35.112,14.859 36.88,16.627 v2(40.005,16.627) ; SW3.3 6.35,51.308 10.496,47.162 10.496,35.769 8.845,34.118 7.956,34.118 JP11.2
VCC: C1.1 C7.1 C8.1 C9.2 C10.1 C11.2 C19.2 CE1.1 JP1.4 JP2.3 JP3.3 JP4.3 JP5.2 JP6.2 JP7.2 JP8.2 PW5100.1 PW5100.2 Q1.2 R1.2 R2.1 R3.2 SW1.1 SW1.4 U1.40 U2.1 U3.16 U4.10 U4.16 U5.8 USB.1 | length 425.2
  Top Layer w0.381: U4.10@69.646,16.587 C10.1@73.787,16.587
  Top Layer w0.508: Q1.2@26.083,59.23 25.111,58.258 25.111,56.94 28.076,53.975 31.115,53.975 31.686,53.404 31.686,51.244 31.12,50.678 C19.2 ; U4.16@69.85,20.574 70.231,20.955 73.584,20.955 ; U2.1 77.074,29.449
  Top Layer w0.635: v2(71.12,36.449) 77.739,36.449 78.994,35.194 78.994,31.369 77.074,29.449
  Top Layer w0.762: PW5100.1 PW5100.2@16.194,50.788 ; PW5100.2 16.383,51.802 17.223,52.642 18.665,52.642 v3(20.38,50.927) ; v3(22.987,63.5) 23.49,62.997 R2.1 25.654,60.706 26.289,60.071 Q1.2 Q1.2@26.083,59.23 ; v2@43.102,78.818 43.102,74.106 U5.8 ; C7.1 C8.1 ; U3.16 68.284,34.306 70.251,36.273 ; 73.584,20.955 75.311,19.228 75.311,17.602 74.224,16.515 75.179,16.515 v2(78.359,13.335)
  Top Layer w1.016: R2.1 R1.2
  Top Layer w1.27: JP1.4 4.472,67.945 14.478,67.945 18.085,71.552 18.085,76.283 JP2.3 18.129,77.311 19.685,78.867 26.797,78.867 29.464,76.2 C9.2 ; SW1.1 SW1.4 28.645,50.678 C19.2 ; JP3.3 38.938,11.767 38.938,10.592 40.894,8.636 44.101,8.636 JP4.3 ; v2(42.926,29.835) 42.926,61.039 v2@43.102,61.214 ; U1.40 49.403,65.024 C11.2 ; R3.2 52.578,64.008 C11.2 ; JP7.2@60.817,4.064 JP8.2@67.183,4.064 ; JP5.2 JP6.2 ; USB.1 64.137,57.095 56.208,65.024 C11.2 ; C8.1 71.247,42.55 71.12,42.423 v2(71.12,36.449)
  Bottom Layer w0.762: JP2.3 18.129,68.358 v3(22.987,63.5) ; v3(20.38,50.927) 20.38,50.493 SW1.4
  Bottom Layer w1.27: JP2.3 18.173,76.371 18.173,77.355 19.177,78.359 46.482,78.359 48.768,76.073 U1.40 48.006,65.659 43.6,61.253 43.158,61.253 v2(43.109,61.204) ; CE1.1 20.482,23.633 20.482,24.239 22.352,26.109 22.352,37.585 SW1.1 ; JP3.3 38.938,11.855 38.938,13.03 42.926,17.018 v2(42.926,29.835) ; JP7.2 JP5.2 ; USB.1 70.229,57.095 74.803,52.521 74.803,42.672 71.12,38.989 v2(71.12,36.449) 71.12,27.051 78.359,19.812 v2(78.359,13.335) 78.359,13.208 68.294,13.208 67.139,12.053 67.139,10.458 JP6.2
  other v2: 43.152,78.486
pads on no net: ?.1 PW5100.3 U1.4 U1.5 U1.6 U1.7 U1.8 U1.12 U1.13 U1.14 U1.15 U1.16 U1.17 U1.23 U1.24 U1.25 U1.26 U1.27 U1.28 U1.29 U1.30 U1.32 U1.33 U1.34 U1.35 U1.36 U1.37 U1.38 U1.39 U2.4 U2.6 U3.9 U3.10 U3.11 U3.12 U3.13 U3.14 U3.15 U4.6 U4.7 U4.8 USB.2 USB.3
copper on no net:
  other v4: 74.541,28.749 74.541,32.749

## Polygon pours and split planes (outlines as drawn)
GND on Bottom Layer "Bottom Layer-GND" (solid, remove dead copper, pour order 30): -5.461,85.217 -3.302,83.058 95.885,83.058 95.885,-0.762 90.043,-6.604 -12.827,-6.604
no net on Bottom Layer "Bottom Layer-No Net 1" (solid, pour order 6): 3,80
no net on Bottom Layer "Bottom Layer-No Net" (solid, pour order 0): 15.24,70.231
GND on Top Layer "Top Layer-GND" (solid, remove dead copper, pour order 28): -9.779,88.773 90.551,88.773 95.885,83.439 87.249,74.803 87.249,-11.684 -3.429,-11.684 -9.525,-5.588
GND on Top Layer "Top Layer-GND 1" (solid, remove dead copper, pour order 24): 90.424,63.373
GND on Top Layer "Top Layer-No Net" (solid, pour order 8): -0.762,84.963

## Keep-outs
Keep-Out Layer:
  the board outline again, w0.254

## Other copper
Bottom Layer:
  pour cut-out: 1.524,51.749

## Silkscreen, mask and mechanical layers (free items; w line width, h text height)
Top Overlay:
  text "Designed by :" at 50.546,76.708 h2.03
  text "Mag.W" at 59.055,72.898 h2.03

## Text inside footprints (layer, text, board x,y; h text height)
J1: Top Overlay "+" at 6.558,65.223 h2 r135
SW2: Top Overlay "ON" at 30.861,7.112 h1.52
SW3: Top Overlay "ON" at 2.667,49.276 h1.52
USB: Top Overlay "GND" at 67.818,63.643 h1.02; Top Overlay "D+" at 67.818,61.103 h1.02; Top Overlay "D-" at 67.818,58.817 h1.02; Top Overlay "VCC" at 67.818,56.531 h1.02; Top Overlay "USB-A" at 76.25,64.025 h1.52 r270